# KiCad board analog_frontend_panel.kicad_pcb (continued)
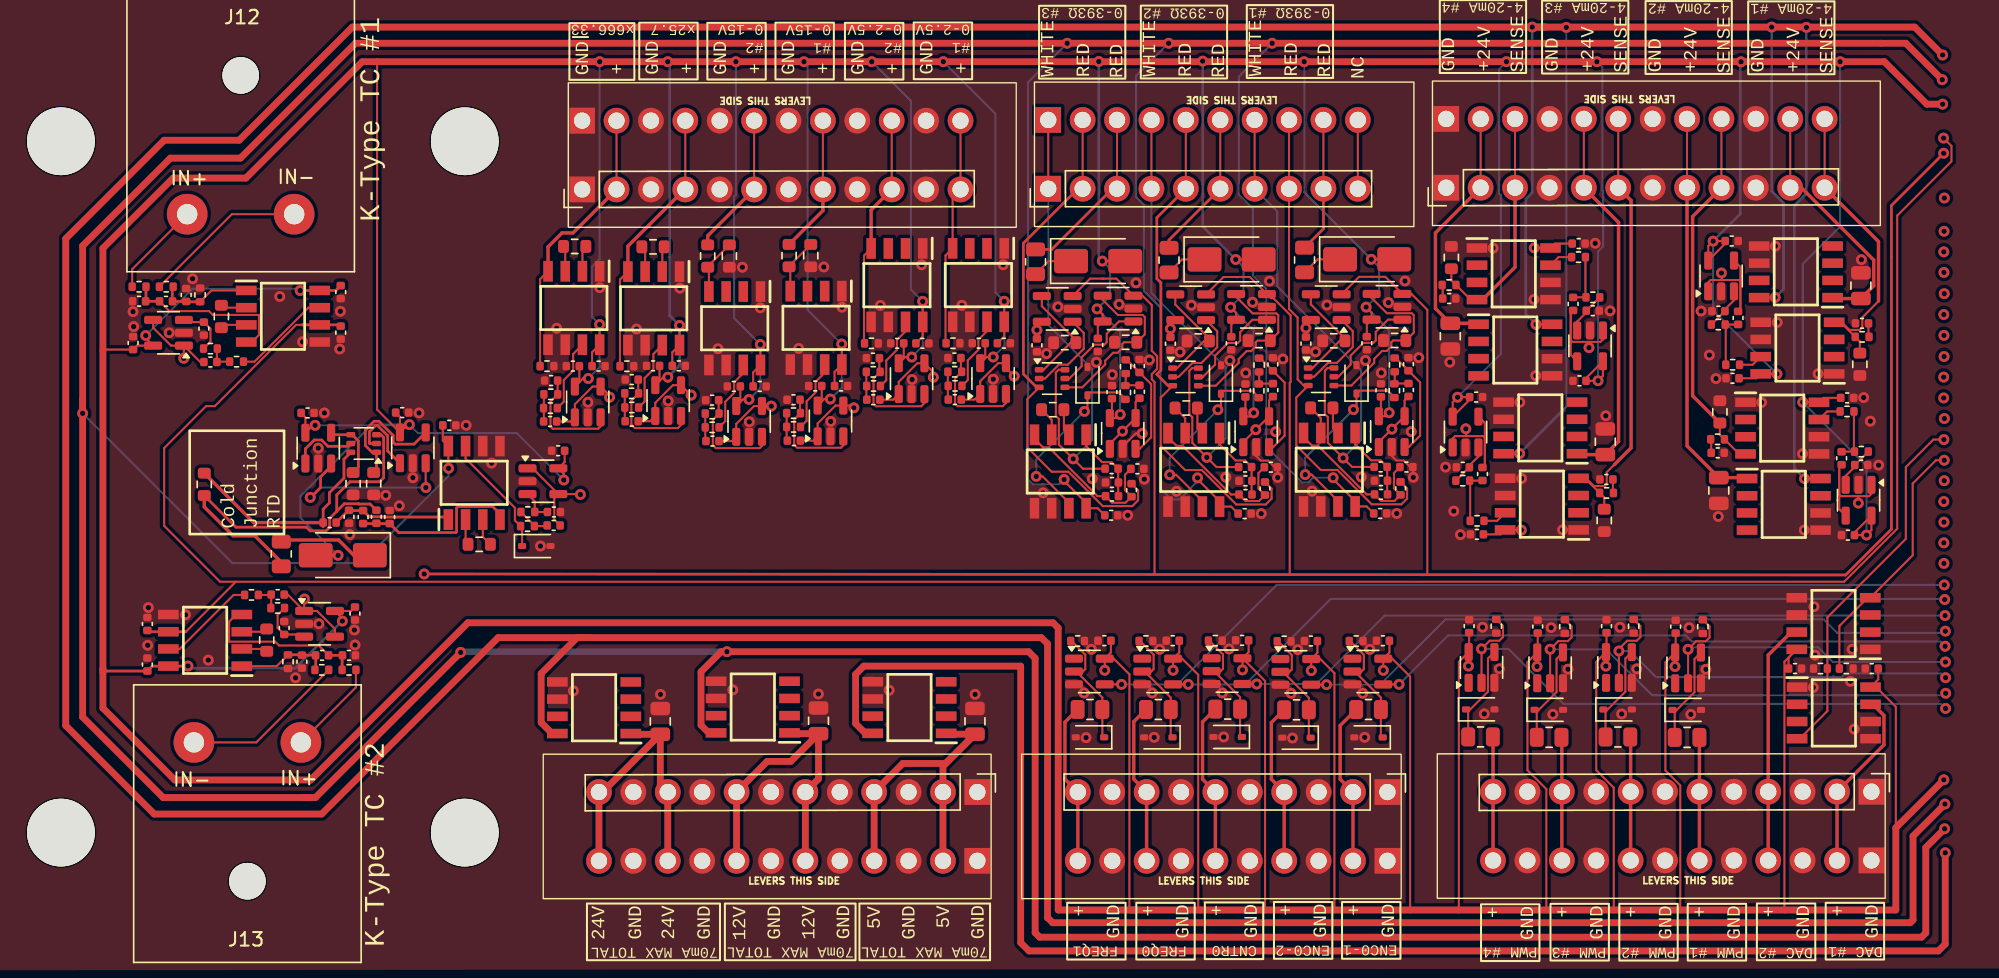
[diagram p0: board, top side]
## Routing (per net, layer and track width the routed paths; a pad name or vN(x,y) marks a point on that pad's centre or on a via; arc(x,y) is an arc through that point) (continued)
/4-20mA Frontend1/+24_EXC: length 29.6
  Top w0.15: J1004.8 J1004.8
  Top w0.25: J1004.8 120.07,36.15 C33001.2 124.43,33.81 IC33001.1
/4-20mA Frontend1/SIGNAL: length 27.5
  Top w0.15: J1004.9 J1004.9 ; R25.2 122.49,36.97 R24.2 123.91,35.56 IC6.4
  Top w0.25: R25.2 120.48,39.85 120.48,53.09 J1004.9
/4-20mA Frontend2/+24_EXC: length 28.4
  Top w0.15: J1004.5 J1004.5
  Top w0.25: J1004.5 115.01,52.65 115.01,36.48 C34001.2 112.01,35.5 IC34001.1
/4-20mA Frontend2/SIGNAL: length 33.8
  Top w0.15: J1004.6 J1004.6 ; R27.2 113.95,32.33 R26.2 112.53,33.75 IC7.4 112.62,33.75 113.18,33.19 114.01,33.19 114.14,33.31 114.14,34.2 114.7,34.77
  Top w0.25: 114.7,34.77 115.94,36 115.94,54.26 J1004.6
/4-20mA Frontend3/+24_EXC: length 19
  Top w0.15: J1004.2 J1004.2
  Top w0.25: IC35001.1 104.6,45.2 C35001.2 101.49,46.3 101.49,51.88 J1004.2
/4-20mA Frontend3/SIGNAL: length 18.1
  Top w0.15: R29.2 102.66,48.37 R28.2 104.08,46.95 IC8.4 ; J1004.3 J1004.3
  Top w0.25: IC8.4 104.97,46.95 107.37,49.35 J1004.3
/4-20mA Frontend/+24_EXC: length 18.8
  Top w0.15: J1004.11 J1004.11
  Top w0.25: IC32001.1 130.89,47.03 C32001.2 133.85,47.98 133.85,49.87 128.51,55.21 J1004.11
/4-20mA Frontend/SIGNAL: length 23.3
  Top w0.15: R23.2 132.82,43.86 R22.2 131.4,45.28 IC5.4 131.49,45.28 132.05,44.71 132.83,44.71 133.01,44.89 133.01,45.64 134.2,46.83 ; J1004.12 J1004.12
  Top w0.25: J1004.12 134.2,51.24 134.2,46.83
/AIN2: length 136.4
  Top w0.15: U20001.4 36.43,32.29 36.43,30.71 C20002.2 ; U20001.4 34.83,34.49 U20001.1 ; U20001.4 38.32,32.59 v1(38.35,32.56)
  In2.Cu w0.15: v1(38.35,32.56) 37.39,32.56 35.51,34.44 35.51,55.06 36.79,56.34 131.49,56.34 133.38,54.45 v1(139.06,54.45)
/AIN3: length 27.5
  Top w0.15: 122.63,48.4 121.81,48.4 121.63,48.22 U16001.1 ; 122.63,48.4 122.63,48.89 v1(122.61,48.92) ; 122.63,48.4 123.89,48.4 124.01,48.28 124.01,46.25 ; 124.01,46.25 124.01,49.36 U16001.4 ; 124.01,46.25 C16002.2
  In2.Cu w0.15: v1(122.61,48.92) 125.69,52 v1(139.05,52)
/AIN4: length 35.4
  Top w0.15: 131.3,34.58 C30002.2 ; 131.3,34.58 131.3,32.55 131.42,32.44 132.72,32.44 ; 131.3,34.58 131.3,31.47 U30001.4 ; 132.72,32.44 v1(132.72,31.92) ; 132.72,32.44 133.5,32.44 133.68,32.61 U30001.1
  In2.Cu w0.15: v1(139.03,50.48) 132.45,50.48 131.88,49.91 131.88,32.76 v1(132.72,31.92)
/AIN5: length 63.1
  Top w0.15: 105.14,34.73 105.14,36.76 105.02,36.87 103.76,36.87 ; 105.14,34.73 105.14,37.83 U32001.4 ; 105.14,34.73 C32003.2 ; 103.76,36.87 103.76,37.41 v1(103.73,37.41) 103.73,37.43 ; 103.76,36.87 102.94,36.87 102.76,36.7 U32001.1
  In2.Cu w0.15: v1(103.73,37.41) 106.98,40.66 106.98,52.7 139.32,52.7 139.85,52.17 139.85,49.77 v1(139.04,48.96)
/AIN6: length 47.9
  Top w0.15: 112.83,43.83 v1(112.83,43.4) ; 112.83,43.83 113.68,43.83 113.85,44.01 U33001.1 ; 112.83,43.83 111.59,43.83 111.48,43.95 111.48,45.98 ; 111.48,45.98 111.48,42.87 U33001.4 ; 111.48,45.98 C33003.2
  In2.Cu w0.15: v1(112.83,43.4) 112.83,40.76 113.2,40.39 117.02,40.39 127.69,51.05 139.28,51.05 139.6,50.74 139.6,50.24 139.26,49.9 139.14,49.9 138.46,49.23 138.46,47.98 v1(139.06,47.39)
/AIN7: length 64.4
  Top w0.15: C15002.2 99.21,39.51 U15001.4 98.27,37.4 v1(98.27,37.38) 98.26,37.38 97.31,36.44 U15001.1
  In2.Cu w0.15: v1(139.03,45.85) 140.1,46.92 140.1,52.45 139.4,53.16 107.06,53.16 98.65,44.75 98.65,37.76 v1(98.27,37.38)
/AIN8: length 80.2
  Top w0.15: C17002.2 89.2,39.5 U17001.4 v1(88.22,37.35) 87.3,36.43 U17001.1
  In2.Cu w0.15: v1(88.22,37.35) 91.01,40.13 91.01,53.18 91.23,53.41 139.5,53.41 140.35,52.56 140.35,45.62 v1(139.04,44.31)
/AIN9: length 92.8
  Top w0.15: C18002.2 79.35,39.38 U18001.4 v1(78.38,37.24) 77.45,36.31 U18001.1
  In2.Cu w0.15: v1(78.38,37.24) 78.79,37.64 78.79,51.5 81,53.72 139.54,53.72 140.6,52.66 140.6,44.3 v1(139.05,42.75)
/AIN10: length 158.4
  Top w0.15: C5002.2 10.29,42.34 U5001.1 ; U5001.4 6.81,44.88 8.13,43.55 U5001.1 ; U5001.1 v1(9.07,42.62) 9.08,42.63
  In2.Cu w0.15: v1(139.02,41.23) 140.85,43.06 140.85,53.81 138.07,56.59 36.68,56.59 22.71,42.62 v1(9.07,42.62)
/AIN11: length 183.5
  Top w0.15: U8001.4 20.23,22.63 18.91,23.96 17.96,23.96 ; v1(17.98,24.84) 17.96,24.81 17.96,23.96 ; 17.96,23.96 16.75,25.17 C8002.2
  In2.Cu w0.15: v1(17.98,24.84) 8.49,34.33 8.49,43.72 9.73,44.95 24.69,44.95 36.58,56.84 138.28,56.84 141.1,54.02 141.1,41.77 v1(139.02,39.69)
/AIN12: length 96.1
  Top w0.15: C21002.2 67.46,39.57 U21001.1 67.88,40.93 69.21,42.26 U21001.4 69.78,41.9 v1(70.38,41.3)
  In2.Cu w0.15: v1(70.38,41.3) 70.38,29.79 71.48,28.7 135.08,28.7 135.43,29.05 135.43,38.17 139.06,38.17 v1(139.07,38.17)
/AIN13_DAC0: length 27.1
  Top w0.15: IC37001.4 128.39,14.52 130.43,16.57 R37001.1 130.43,23.49 136.22,29.28 136.22,34.58 138.25,36.61 v1(139.03,36.61)
/AIN14_DAC1: length 19.1
  Top w0.15: v1(139.06,35.09) 138.45,35.09 136.73,33.37 136.73,28.07 IC34002.4 133.4,24.94 131.31,22.85 R34001.1
/AIN15: length 94.7
  Top w0.15: C25002.2 61.44,39.56 U25001.1 ; U25001.1 61.86,40.35 ; U25001.1 61.86,40.88 63.23,42.25 U25001.4 64.41,41.59 v1(64.41,41.22)
  In2.Cu w0.15: v1(64.41,41.22) 64.41,35.35 71.32,28.45 135.18,28.45 135.89,29.16 135.89,33.5 138.97,33.5 v1(139.06,33.58)
/AIN16: length 93.8
  Top w0.15: v1(58.55,38.96) 58.38,39.12 U44001.4 57.19,39.12 55.87,37.8 U44001.1 55.56,36.53 C44002.2
  In2.Cu w0.15: v1(58.55,38.96) 69.32,28.19 135.28,28.19 136.3,29.21 136.3,32.02 136.31,32.04 v1(139.03,32.04)
/AIN17: length 98.6
  Top w0.15: C24002.2 49.55,36.5 U24001.1 49.86,37.77 51.18,39.09 U24001.4 52.44,39.09 v1(52.45,39.09)
  In2.Cu w0.15: v1(139.04,30.52) 136.64,30.52 136.63,30.5 136.63,29.19 135.3,27.86 63.68,27.86 v1(52.45,39.09)
/AIN18: length 104.1
  Top w0.15: 42.62,37.97 43.5,37.97 U9001.1 43.89,39.33 45.18,40.63 U9001.4 46.53,39.88 46.53,39.87
  In2.Cu w0.15: v1(46.53,39.9) 58.82,27.61 135.4,27.61 136.78,28.99 v1(139.03,28.99)
/AIN19: length 109.6
  Top w0.15: v1(40.51,39.75) 40.51,39.86 U14001.4 39.26,40.53 37.95,39.22 U14001.1 37.64,37.95 C14002.2
  In2.Cu w0.15: v1(139.04,27.47) 138.93,27.36 52.9,27.36 v1(40.51,39.75)
/COUNTER0: length 54
  Top w0.15: U42001.4 v1(88.29,18.56)
  Bottom w0.15: v1(139.12,23.62) 97.74,23.62 92.68,18.56 v1(88.29,18.56)
/dac_buf1/VOUT: length 18
  Top w0.25: IC34002.7 127.76,22.4 126.06,20.7 J1001.4 J1001.4
/dac_buf/VOUT: length 13.5
  Top w0.25: J1001.2 J1001.2 134.61,14.08 134.61,16.24 133.78,17.06 IC37001.7
/ENCODER0_0: length 43.3
  Top w0.15: 98.8,18.53 v1(98.81,18.54) U38001.4
  Bottom w0.15: v1(139.12,21.35) 138.77,21.7 120.42,21.7 119.97,22.15 102.42,22.15 v1(98.81,18.54)
/ENCODER0_1: length 49.3
  Top w0.15: U39001.4 v1(93.45,18.51)
  Bottom w0.15: v1(93.45,18.51) 97.41,18.51 102.23,23.33 130.15,23.33 131.15,22.34 139.01,22.34 v1(139.14,22.47)
/FREQ0: length 59.6
  Top w0.15: U40001.4 v1(83.24,18.54)
  Bottom w0.15: v1(83.24,18.54) 87.45,18.54 93.77,24.85 139.04,24.85 v1(139.09,24.8)
/FREQ1: length 65
  Top w0.15: U39002.4 v1(78.31,18.54)
  Bottom w0.15: v1(78.31,18.54) 82.42,18.54 89.77,25.88 v1(139.06,25.88)
/K-Type TC Amp1/Signal+: length 12.5
  Top w0.15: C8.1 19.03,21.41 16.1,21.41 15.82,21.69 12.42,21.69 12.42,23.17 12.94,23.69 IC2.4
  Top w0.2: R7.2 20.76,20.66 C7.1 C8.1
/K-Type TC Amp1/Signal-: length 6.8
  Top w0.15: IC2.1 15.93,19.88 R9.1
  Top w0.2: 18.82,19.62 18.82,20.58 18.86,20.62 ; R9.1 17.77,20.72 C9.1 18.79,20.7 C8.2
/K-Type TC Amp/Signal+: length 12.5
  Top w0.15: IC1.4 14.1,43.82 14.62,44.34 14.62,45.82 11.22,45.82 10.93,46.1 8,46.1 C2.1
  Top w0.2: C2.1 C1.1 6.28,46.85 R2.2
/K-Type TC Amp/Signal-: length 6.8
  Top w0.15: R4.1 11.11,47.63 IC1.1
  Top w0.2: C2.2 8.25,46.81 C3.1 9.27,46.79 R4.1 ; 8.18,46.89 8.22,46.93 8.22,47.89
/PWM0: length 25.5
  Top w0.15: U33002.2 v1(120.14,21.12) 120.75,21.73 121.46,21.73 121.73,22 121.73,22.81 R33003.1
  Bottom w0.15: v1(139.15,20.19) 130.84,20.19 129.75,21.27 120.29,21.27 v1(120.14,21.12)
/PWM1: length 31.1
  Top w0.15: R19001.1 116.62,22.84 116.62,22.03 116.35,21.76 115.64,21.76 115.04,21.15 v1(115.04,21) U19001.2
  Bottom w0.15: v1(139.16,19.03) 138.84,19.34 131.72,19.34 131.45,19.07 117.78,19.07 115.85,21 v1(115.04,21)
/PWM2: length 36.7
  Top w0.15: R26001.1 111.54,22.82 111.54,22 111.27,21.73 110.56,21.73 v1(109.96,21.13) U26001.2
  Bottom w0.15: v1(139.17,17.88) 139.02,17.73 117.49,17.73 114.1,21.13 v1(109.96,21.13)
/PWM3: length 42.1
  Top w0.15: U27001.2 v1(104.89,21.16) 105.5,21.76 106.21,21.76 106.48,22.03 106.48,22.85 R27001.1
  Bottom w0.15: v1(139.16,16.76) 138.82,17.1 110.94,17.1 106.88,21.16 v1(104.89,21.16)
/pwm_out_buf1/VOUT: length 9.1
  Top w0.25: J1001.8 115.9,14.63 R19002.2
/pwm_out_buf2/VOUT: length 9.1
  Top w0.25: J1001.10 J1001.10 110.82,14.6 R26002.2
/pwm_out_buf3/VOUT: length 9.1
  Top w0.25: R27002.2 105.74,14.65 J1001.12 J1001.12
/pwm_out_buf/VOUT: length 9.1
  Top w0.25: R33004.2 120.98,14.62 J1001.6
/RTD Amp1/R+: length 11
  Top w0.15: J1006.6 J1006.6
  Top w0.2: J1006.6 81.82,51.36 R59.2
/RTD Amp1/R-: length 37.8
  Top w0.15: U3.3 81.21,39.71 81.21,36.16 83.01,34.36 84.24,34.36 86.78,31.82 88.97,31.82 89.39,32.25 89.39,33 R60.2 ; J1006.5 J1006.5
  Top w0.2: J1006.5 80.92,53 80.92,48.5 81.22,48.2 81.22,41.73 80.92,41.43 81.75,40.59 U3.3
/RTD Amp1/rtd_amp_inner/Signal+: length 12
  Top w0.15: IC18.4 81.74,36.78 82.37,36.15 82.8,36.15 86.4,32.56 C72.1 87.47,32.07 88.46,32.07 R60.1 88.42,33.01 88.42,34.14 C71.2
/RTD Amp1/rtd_amp_inner/Signal-: length 5.9
  Top w0.15: IC18.1 85.55,36.25 86.73,35.07 87.43,35.07 R61.1 87.92,32.59 C72.2
/RTD Amp1/rtd_amp_inner/Vout: length 14.3
  Top w0.15: v1(85.42,38.82) 85.65,39.05 D46001.1 85.87,40.22 87.96,40.22 88.45,39.73 ; v1(81.87,34.02) 82.34,34.02 84.28,32.08 IC18.7
  Bottom w0.15: v1(81.87,34.02) 81.87,35.26 v1(85.42,38.82)
/RTD Amp1/W-: length 38.1
  Top w0.15: U3.6 83.52,41.89 83.32,41.69 83.32,38.49 83.54,38.27 83.54,36.37 v1(84.61,35.3) 85.32,34.59 R61.2 ; J1006.4 J1006.4
  Bottom w0.15: v1(84.61,35.3) 86,36.69 86,41.95 80.52,47.43 J1006.4
/RTD Amp2/R+: length 13
  Top w0.15: J1006.3 J1006.3
  Top w0.2: J1006.3 77.64,55.14 73.15,50.66 R68.2
/RTD Amp2/R-: length 38.7
  Top w0.15: J1006.2 J1006.2 ; R69.2 79.53,32.87 79.53,32.12 79.11,31.7 76.92,31.7 74.38,34.24 73.15,34.24 71.35,36.04 71.35,39.59 U4.3
  Top w0.2: U4.3 72.05,40.47 71.06,41.45 71.06,51.11 75.09,55.14 J1006.2
/RTD Amp2/rtd_amp_inner/Signal+: length 12
  Top w0.15: C82.2 78.56,34.02 78.56,32.88 R69.1 78.6,31.95 77.61,31.95 C83.1 76.54,32.44 72.95,36.03 72.52,36.03 71.89,36.66 IC21.4
/RTD Amp2/rtd_amp_inner/Signal-: length 5.9
  Top w0.15: C83.2 78.06,32.46 R70.1 77.58,34.95 76.88,34.95 75.7,36.13 IC21.1
/RTD Amp2/rtd_amp_inner/Vout: length 14.3
  Top w0.15: v1(75.57,38.7) 75.8,38.92 D47001.1 76.01,40.1 78.11,40.1 78.59,39.61 ; IC21.7 74.43,31.96 72.49,33.89 v1(72.01,33.89)
  Bottom w0.15: v1(72.01,33.89) 72.01,35.14 v1(75.57,38.7)
/RTD Amp2/W-: length 37.3
  Top w0.15: R70.2 75.47,34.46 v1(74.74,35.19) 73.68,36.25 73.68,38.14 73.46,38.37 73.46,41.57 73.66,41.77 U4.6 ; J1006.1 J1006.1
  Bottom w0.15: J1006.1 72.9,45.07 76.14,41.83 76.14,36.59 v1(74.74,35.19)
/RTD Amp/R+: length 10
  Top w0.15: J1006.9 J1006.9
  Top w0.2: R41.2 93.22,52.18 J1006.9
/RTD Amp/R-: length 36.8
  Top w0.15: R42.2 99.4,33.01 99.4,32.26 98.97,31.83 96.79,31.83 94.25,34.37 93.01,34.37 91.22,36.17 91.22,39.72 U1.3 91.77,40.6 91.31,41.06 91.31,45.62 90.68,46.26 J1006.8 J1006.8
/RTD Amp/rtd_amp_inner/Signal+: length 12
  Top w0.15: C49.2 98.43,34.15 98.43,33.02 R42.1 98.46,32.08 97.48,32.08 C50.1 96.41,32.57 92.81,36.16 92.38,36.16 91.75,36.8 IC12.4
/RTD Amp/rtd_amp_inner/Signal-: length 5.9
  Top w0.15: C50.2 97.92,32.6 R43.1 97.44,35.08 96.74,35.08 95.56,36.26 IC12.1
/RTD Amp/rtd_amp_inner/Vout: length 14.3
  Top w0.15: IC12.7 94.29,32.09 92.35,34.03 v1(91.88,34.03) ; v1(95.43,38.83) 95.66,39.06 D45001.1 95.88,40.23 97.97,40.23 98.45,39.74
  Bottom w0.15: v1(95.43,38.83) 91.88,35.27 v1(91.88,34.03)
/RTD Amp/W-: length 39.1
  Top w0.15: J1006.7 J1006.7 ; R43.2 95.33,34.6 v1(94.67,35.26) 93.54,36.38 93.54,38.28 93.32,38.5 93.32,41.7 93.53,41.9 U1.6
  Bottom w0.15: v1(94.67,35.26) 96.01,36.59 96.01,41.73 89.81,47.93 89.81,53.47 J1006.7
/rtd_amp_inner1/250uA_SINK_1: length 16.6
  Top w0.2: 19.36,30.17 19.36,31.48 19.82,31.94 19.82,32.69 20.9,33.77 20.9,35.17 U2.6
  Top w0.25: R1.1 14.23,30.48 R52.2
/rtd_amp_inner1/250uA_SINK_2: length 32.5
  Top w0.2: 20.36,31.32 19.84,30.8 19.84,30.14 19.57,29.87 18.4,29.87 18.13,30.15 12.92,30.15 R1.2 ; 20.36,31.32 20.92,31.87 21.98,31.87 22,31.85 22.83,31.85 R51.2 ; 20.36,31.32 20.36,32.53 21.34,33.5 23.53,33.5 23.83,33.8 23.83,36.77 23.63,36.97 U2.3
  Top w0.25: R1.2 10.58,31.64 12.72,29.51 14.32,29.51 16.27,27.56 R50.2
/rtd_amp_inner1/Signal+: length 12.8
  Top w0.2: C61.1 C60.2 24.94,29.75 29.16,29.75 29.21,29.8 29.21,31.56 29.33,31.67 31.87,31.67 32.42,31.12 IC15.4
/rtd_amp_inner1/Signal-: length 8.9
  Top w0.2: IC15.1 28.42,30.89 23.86,30.89 23.84,30.91 22.77,30.91 C61.2 21.29,31.37 C62.1 21.23,31.39 R52.1
/rtd_amp_inner1/Vout: length 9.1
  Top w0.15: IC15.7 29.88,35.22 33.52,31.58 33.52,30.65 R20002.2 34.05,30.11 D44001.1
Net-(C25-Pad1): length 1
  Top w0.15: C25.1 133.46,44.24 R22.1
  Top w0.25: 133.49,44.21 R22.1
Net-(C28-Pad1): length 1
  Top w0.15: C28.1 121.85,36.59 R24.1
  Top w0.25: 121.82,36.62 R24.1
Net-(C31-Pad1): length 1
  Top w0.15: R26.1 114.59,32.71 C31.1
  Top w0.25: 114.62,32.68 R26.1
Net-(C34-Pad1): length 1
  Top w0.15: C34.1 102.02,47.99 R28.1
  Top w0.25: 101.99,48.02 R28.1
Net-(C5002-Pad1): length 2
  Top w0.15: R5001.2 11.54,42.37 C5002.1 11.51,43.3 R5002.1
Net-(C8002-Pad1): length 2
  Top w0.15: R8001.2 15.5,25.14 C8002.1 15.52,24.21 R8002.1
Net-(C9002-Pad1): length 2.1
  Top w0.15: C9002.1 41.63,38 R9002.1
Net-(C14002-Pad1): length 2
  Top w0.15: C14002.1 35.66,37.97 R14002.2
Net-(C15002-Pad1): length 1.9
  Top w0.15: C15002.1 98.49,40.76 98.48,40.76 98.48,41.67
Net-(C16002-Pad1): length 3.9
  Top w0.15: C16002.1 123.82,45.11 R16002.1 122.88,44.99 122.92,44.95 R16001.2
Net-(C17002-Pad1): length 1.9
  Top w0.15: C17002.1 88.48,40.75 88.47,40.75 88.47,41.66
Net-(C18002-Pad1): length 1.9
  Top w0.15: C18002.1 78.62,40.63 78.62,40.63 78.62,41.54
Net-(C20002-Pad1): length 2.4
  Top w0.15: R20001.2 34.96,30.27 R20002.1 35.85,30.23 C20002.1
Net-(C21002-Pad1): length 2.1
  Top w0.15: C21002.1 65.49,39.6 R21002.1
Net-(C24002-Pad1): length 2.1
  Top w0.15: C24002.1 47.57,36.56 R24002.1
Net-(C25002-Pad1): length 2.1
  Top w0.15: R25002.1 59.47,39.59 C25002.1
Net-(C30002-Pad1): length 3.9
  Top w0.15: R30001.2 132.39,35.88 132.43,35.84 R30002.1 131.49,35.72 C30002.1
Net-(C32003-Pad1): length 3.9
  Top w0.15: R32001.2 104.05,33.42 104.01,33.46 R32002.1 104.95,33.58 C32003.1
Net-(C33003-Pad1): length 3.9
  Top w0.15: R33001.2 112.56,47.28 112.6,47.24 R33002.1 111.66,47.12 C33003.1
Net-(C44002-Pad1): length 2.1
  Top w0.15: R44002.1 53.58,36.59 C44002.1
Net-(D7-K): length 3
  Top w0.15: D7.1 92.79,49.93 R41.1
Net-(D8-K): length 7.1
  Top w0.25: D8.1 21.62,28.07 20.5,29.2 16.39,29.2 R50.1
Net-(D9-K): length 3
  Top w0.15: R59.1 82.78,49.92 D9.1
Net-(D10-K): length 3
  Top w0.15: D10.1 72.93,49.8 R68.1
Net-(D19001-K): length 7.4
  Top w0.15: U19001.4 115.51,20.44 115.51,17.99 114.2,16.68 D19001.1 114.05,16.53 R19002.1
Net-(D26001-K): length 7.4
  Top w0.15: R26002.1 108.97,16.5 D26001.1 109.12,16.66 110.43,17.97 110.43,20.42 U26001.4
Net-(D27001-K): length 7.4
  Top w0.15: U27001.4 105.37,20.45 105.37,18 104.06,16.69 103.75,16.69 103.91,16.53 R27002.1
Net-(D33001-K): length 7.4
  Top w0.15: U33002.4 120.62,20.41 120.62,17.96 119.31,16.65 D33001.1 119.16,16.5 R33004.1
Net-(D38001-K): length 9.4
  Top w0.15: D38001.1 97.46,14.76 R38001.2 97.46,17.56 95.54,19.48 U38001.2 96.03,19.48 96.2,19.66 96.2,20.72 95.19,21.73 R38002.1
Net-(D39001-K): length 9.4
  Top w0.15: D39001.1 92.14,14.74 R39001.2 92.14,17.54 90.22,19.46 U39001.2 90.71,19.46 90.88,19.64 90.88,20.7 89.87,21.71 R39002.1
Net-(D39002-K): length 9.4
  Top w0.15: R39004.1 74.62,21.74 75.63,20.73 75.63,19.66 75.46,19.49 U39002.2 74.97,19.49 76.89,17.57 R39003.2 76.89,14.76 D39002.1
Net-(D40001-K): length 9.4
  Top w0.15: D40001.1 81.94,14.76 R40001.2 81.94,17.57 80.02,19.49 U40001.2 80.51,19.49 80.68,19.66 80.68,20.73 79.67,21.74 R40002.1
Net-(D42001-K): length 9.4
  Top w0.15: D42001.1 87.06,14.79 R42001.2 87.06,17.59 85.14,19.51 U42001.2 85.63,19.51 85.8,19.69 85.8,20.75 84.79,21.76 R42002.1
Net-(IC1-RG_1): length 1.9
  Top w0.15: IC1.2 12.02,46.36 R6.1
Net-(IC1-RG_2): length 1.9
  Top w0.15: IC1.3 12.05,45.09 R6.2
Net-(IC2-RG_1): length 1.9
  Top w0.15: R11.1 15.02,21.15 IC2.2
Net-(IC2-RG_2): length 1.9
  Top w0.15: IC2.3 14.99,22.42 R11.2
Net-(IC12-RG_1): length 2
  Top w0.15: IC12.2 93.92,37.47 R40.1
Net-(IC12-RG_2): length 2.2
  Top w0.15: R40.2 93.02,38.21 IC12.3
Net-(IC13--IN): length 8
  Top w0.15: IC13.4 92.29,46.6 94.81,44.07 R44.1 94.42,43.91 92.42,41.9 U1.1
Net-(IC13-OUT): length 6.5
  Top w0.15: U1.2 92.52,41.25 93.55,42.28 94.21,42.28 95.38,43.45 95.38,44.63 IC13.1
Net-(IC14--IN): length 13.1
  Top w0.15: IC14.4 96.78,47.07 97.9,45.95 99.74,45.95 99.89,45.8 99.89,44.52 R47.1 98.36,43.93 98.23,43.81 98.23,43.5 97.89,43.16 97.55,43.16 96.97,42.57 96.97,42.29 95.28,40.6 U1.4
Net-(IC14-OUT): length 7.6
  Top w0.15: IC14.1 97.99,45.47 97.08,44.56 97.08,43.93 96.9,43.75 96.17,43.75 95.23,42.82 95.23,42.16 94.32,41.25 U1.5
Net-(IC15-RG_1): length 1.9
  Top w0.15: IC15.2 29.88,29.06 R49.1
Net-(IC15-RG_2): length 2.1
  Top w0.15: IC15.3 31.15,29.44 R49.2
Net-(IC16--IN): length 9.8
  Top w0.2: IC16.4 26.07,36.28 24.68,36.28 24.53,36.42 24.53,36.92 23.48,37.97 23.12,37.97 22.48,37.32 22.48,36.17 22.98,35.67 U2.1 23.3,34.39 R53.1
Net-(IC16-OUT): length 5.7
  Top w0.2: IC16.1 24.13,35.77 24.13,36.9 23.36,37.67 23.24,37.67 22.78,37.2 22.78,36.35 22.8,36.32 U2.2
Net-(IC17--IN): length 4.8
  Top w0.2: R56.1 21.96,34.57 21.96,36.51 21.5,36.97 U2.4 20.1,36.97 IC17.4
Net-(IC17-OUT): length 5
  Top w0.2: IC17.1 18.05,35.93 18.7,36.58 19.25,36.58 19.71,36.12 21.2,36.12 U2.5
Net-(IC18-RG_1): length 2
  Top w0.15: IC18.2 83.91,37.46 R58.1
Net-(IC18-RG_2): length 2.2
  Top w0.15: R58.2 83.01,38.19 IC18.3
Net-(IC19--IN): length 8
  Top w0.15: IC19.4 82.28,46.58 84.8,44.06 R62.1 84.42,43.9 82.41,41.89 U3.1
Net-(IC19-OUT): length 6.5
  Top w0.15: IC19.1 85.38,44.61 85.38,43.44 84.2,42.27 83.54,42.27 82.52,41.24 U3.2
Net-(IC20--IN): length 13
  Top w0.15: IC20.4 86.77,47.16 87.99,45.94 89.74,45.94 89.88,45.79 89.88,44.51 R65.1 88.35,43.92 88.22,43.8 88.22,43.49 87.88,43.15 87.54,43.15 86.96,42.56 86.96,42.28 85.27,40.59 U3.4
Net-(IC20-OUT): length 7.6
  Top w0.15: U3.5 84.31,41.24 85.22,42.15 85.22,42.81 86.16,43.74 86.9,43.74 87.07,43.92 87.07,44.55 87.98,45.46 IC20.1
Net-(IC21-RG_1): length 2
  Top w0.15: IC21.2 74.06,37.34 R67.1
Net-(IC21-RG_2): length 2.2
  Top w0.15: R67.2 73.16,38.07 IC21.3
Net-(IC22--IN): length 8
  Top w0.15: IC22.4 72.42,46.46 74.95,43.94 R71.1 74.56,43.78 72.56,41.77 U4.1
Net-(IC22-OUT): length 6.5
  Top w0.15: IC22.1 75.52,44.49 75.52,43.32 74.35,42.15 73.69,42.15 72.66,41.12 U4.2
Net-(IC23--IN): length 13.1
  Top w0.15: U4.4 75.42,40.47 77.11,42.16 77.11,42.44 77.69,43.03 78.03,43.03 78.37,43.36 78.37,43.67 78.49,43.8 R74.1 80.03,44.39 80.03,45.67 79.88,45.81 78.04,45.81 76.92,46.94 IC23.4
Net-(IC23-OUT): length 7.6
  Top w0.15: IC23.1 78.12,45.34 77.22,44.43 77.22,43.8 77.04,43.62 76.3,43.62 75.37,42.69 75.37,42.03 74.46,41.12 U4.5
Net-(IC1001-VO): length 26.8
  Top w0.5: C1001.2 65.32,12.69 62.15,12.69 J1007.4 J1007.4 ; C1001.2 65.13,12.5 J1007.2 J1007.2 ; C1001.2 65.43,14.86 IC1001.1
Net-(IC1002-VO): length 23.1
  Top w0.5: C1002.2 39.99,10.59 J1007.12 J1007.12 ; C1002.2 42.13,14.85 IC1002.1 ; C1002.2 44.25,11.14 J1007.10 J1007.10
Net-(IC1003-VO): length 24.9
  Top w0.5: J1007.8 J1007.8 52.15,12.85 53.89,12.85 C1003.2 ; IC1003.1 53.86,14.89 C1003.2 ; C1003.2 55.94,11.56 J1007.6 J1007.6
Net-(IC23001-+IN): length 4.1
  Top w0.15: R23002.1 47.75,49.39 R23001.1 47.84,49.25 IC23001.4
Net-(IC31001-RG_1): length 1.9
  Top w0.15: R31001.1 44.4,50.71 IC31001.2
Net-(IC31001-RG_2): length 1.9
  Top w0.15: R31001.2 43.13,50.61 IC31001.3
Net-(IC32002-RG_1): length 1.9
  Top w0.15: R32003.1 38.51,50.63 IC32002.2
Net-(IC32002-RG_2): length 1.9
  Top w0.15: IC32002.3 37.24,50.75 R32003.2
Net-(IC45001-+IN): length 4.1
  Top w0.15: IC45001.4 53.85,49.28 R45004.1 53.76,49.42 R45003.1
Net-(J12-Pin_1): length 12.2
  Top w0.15: R3.2 12.62,53.26 J12.1
Net-(J12-Pin_2): length 7
  Top w0.15: R2.1 5.26,49.2 J12.2
Net-(J13-Pin_1): length 12.2
  Top w0.15: 9.82,14.25 14.41,14.25 R8.2
Net-(J13-Pin_2): length 7
  Top w0.15: R7.1 21.78,18.31 J13.2
Net-(U5001-+): length 3.9
  Top w0.15: U5001.3 9.24,45.29 C5001.2 11.04,44.8 11.04,43.85 R5002.2
Net-(U8001-+): length 3.9
  Top w0.15: U8001.3 17.8,22.22 C8001.2 16,22.71 16,23.66 R8002.2
Net-(U9001-+): length 8.1
  Top w0.15: C9001.2 42.63,40.05 R9002.2 42.12,39.49 42.12,37.72 42.37,37.46 45.55,37.46 45.79,37.69 U9001.3
Net-(U14001-+): length 8.1
  Top w0.15: C14001.2 36.67,39.96 R14002.1 36.15,39.42 36.15,37.57 36.29,37.42 39.67,37.42 39.85,37.59 U14001.3
Net-(U15001-+): length 8.1
  Top w0.15: U15001.3 99.51,36.06 100.36,36.91 100.36,40.84 C15001.2 98.5,42.69 98.48,42.69
Net-(U16001-+): length 3.2
  Top w0.15: R16002.2 122.85,46.1 C16001.2 122.86,46.23 123.53,46.9 U16001.3
Net-(U17001-+): length 8.1
  Top w0.15: U17001.3 89.5,36.05 90.35,36.9 90.35,40.83 C17001.2 88.5,42.68 88.47,42.68
Net-(U18001-+): length 8.1
  Top w0.15: U18001.3 79.65,35.93 80.5,36.78 80.5,40.71 C18001.2 78.64,42.56 78.62,42.56
Net-(U20001-+): length 2.5
  Top w0.15: U20001.3 34.98,32.06 R20001.1 C20001.2
Net-(U21001-+): length 8.2
  Top w0.15: U21001.3 69.78,39.32 69.54,39.08 66.21,39.08 66.02,39.27 66.02,41.13 R21002.2 66.45,41.68 C21001.2
Net-(U24001-+): length 8
  Top w0.15: C24001.2 48.56,38.56 R24002.2 48.13,38.08 48.13,36.2 48.35,35.98 51.59,35.98 51.76,36.16 U24001.3
Net-(U25001-+): length 8.2
  Top w0.15: C25001.2 60.43,41.67 R25002.2 60,41.13 60,39.26 60.19,39.07 63.52,39.07 63.76,39.31 U25001.3
Net-(U30001-+): length 3.2
  Top w0.15: U30001.3 131.78,33.93 132.45,34.6 C30001.2 132.46,34.74 R30002.2
Net-(U32001-+): length 3.2
  Top w0.15: R32002.2 103.98,34.57 C32002.2 103.99,34.7 104.66,35.37 U32001.3
Net-(U33001-+): length 3.2
  Top w0.15: U33001.3 111.95,45.33 112.62,46 C33002.2 112.63,46.13 R33002.2
Net-(U44001-+): length 8
  Top w0.15: U44001.3 57.77,36.19 57.6,36.01 54.36,36.01 54.14,36.23 54.14,38.11 R44002.2 54.57,38.6 C44001.2
unconnected-(J1006-Pin_10-Pad10)_1: length 5.1
  Top w0.15: 95.76,60.22 95.76,55.14

## Copper pours and planes (outline as drawn; the poured copper is in the pictures)
GND on Top, Bottom, In1.Cu, In2.Cu: -7.51,69.86 143.42,69.99 143.87,-2.45 -7.07,-2.58

## Text on the board
F.Silkscreen: 70mA MAX TOTAL | #2 / 0-15V | #1 / 0-15V | #2 / 0-2.5V | #1 / 0-2.5V | FREQ1 | 0-393Ω #3 | FREQ0 | 0-393Ω #2 | CNTR0 | ENC0-2 | 0-393Ω #1 | ENC0-1 | 4-20mA #4 | PWM #4 | PWM #3 | 4-20mA #3 | PWM #2 | 4-20mA #2 | PWM #1 | DAC #2 | 4-20mA #1 | DAC #1 | x666.33 | x25.7 | Cold / Junction / RTD | GND | + | 24V | WHITE | RED | NC | +24V | SENSE | 12V | 5V | K-Type TC #1 | K-Type TC #2
